# Altium PCB PCB_CONTROL.PcbDoc (part 1 of 2)
Units mm, origin at the board's own origin, x right, y up, seen from the top; angles counter-clockwise.
Board outline 130 x 100 mm, 4 copper layers (Top Layer (PWR), Layer 1 (GND), Layer 2 (SIGN), Bottom Layer (GND)), stack 1.5 mm thick; 170 components, 141 nets, 620 pads, 299 vias.
Unrouted connection lines stored in the file: 5.
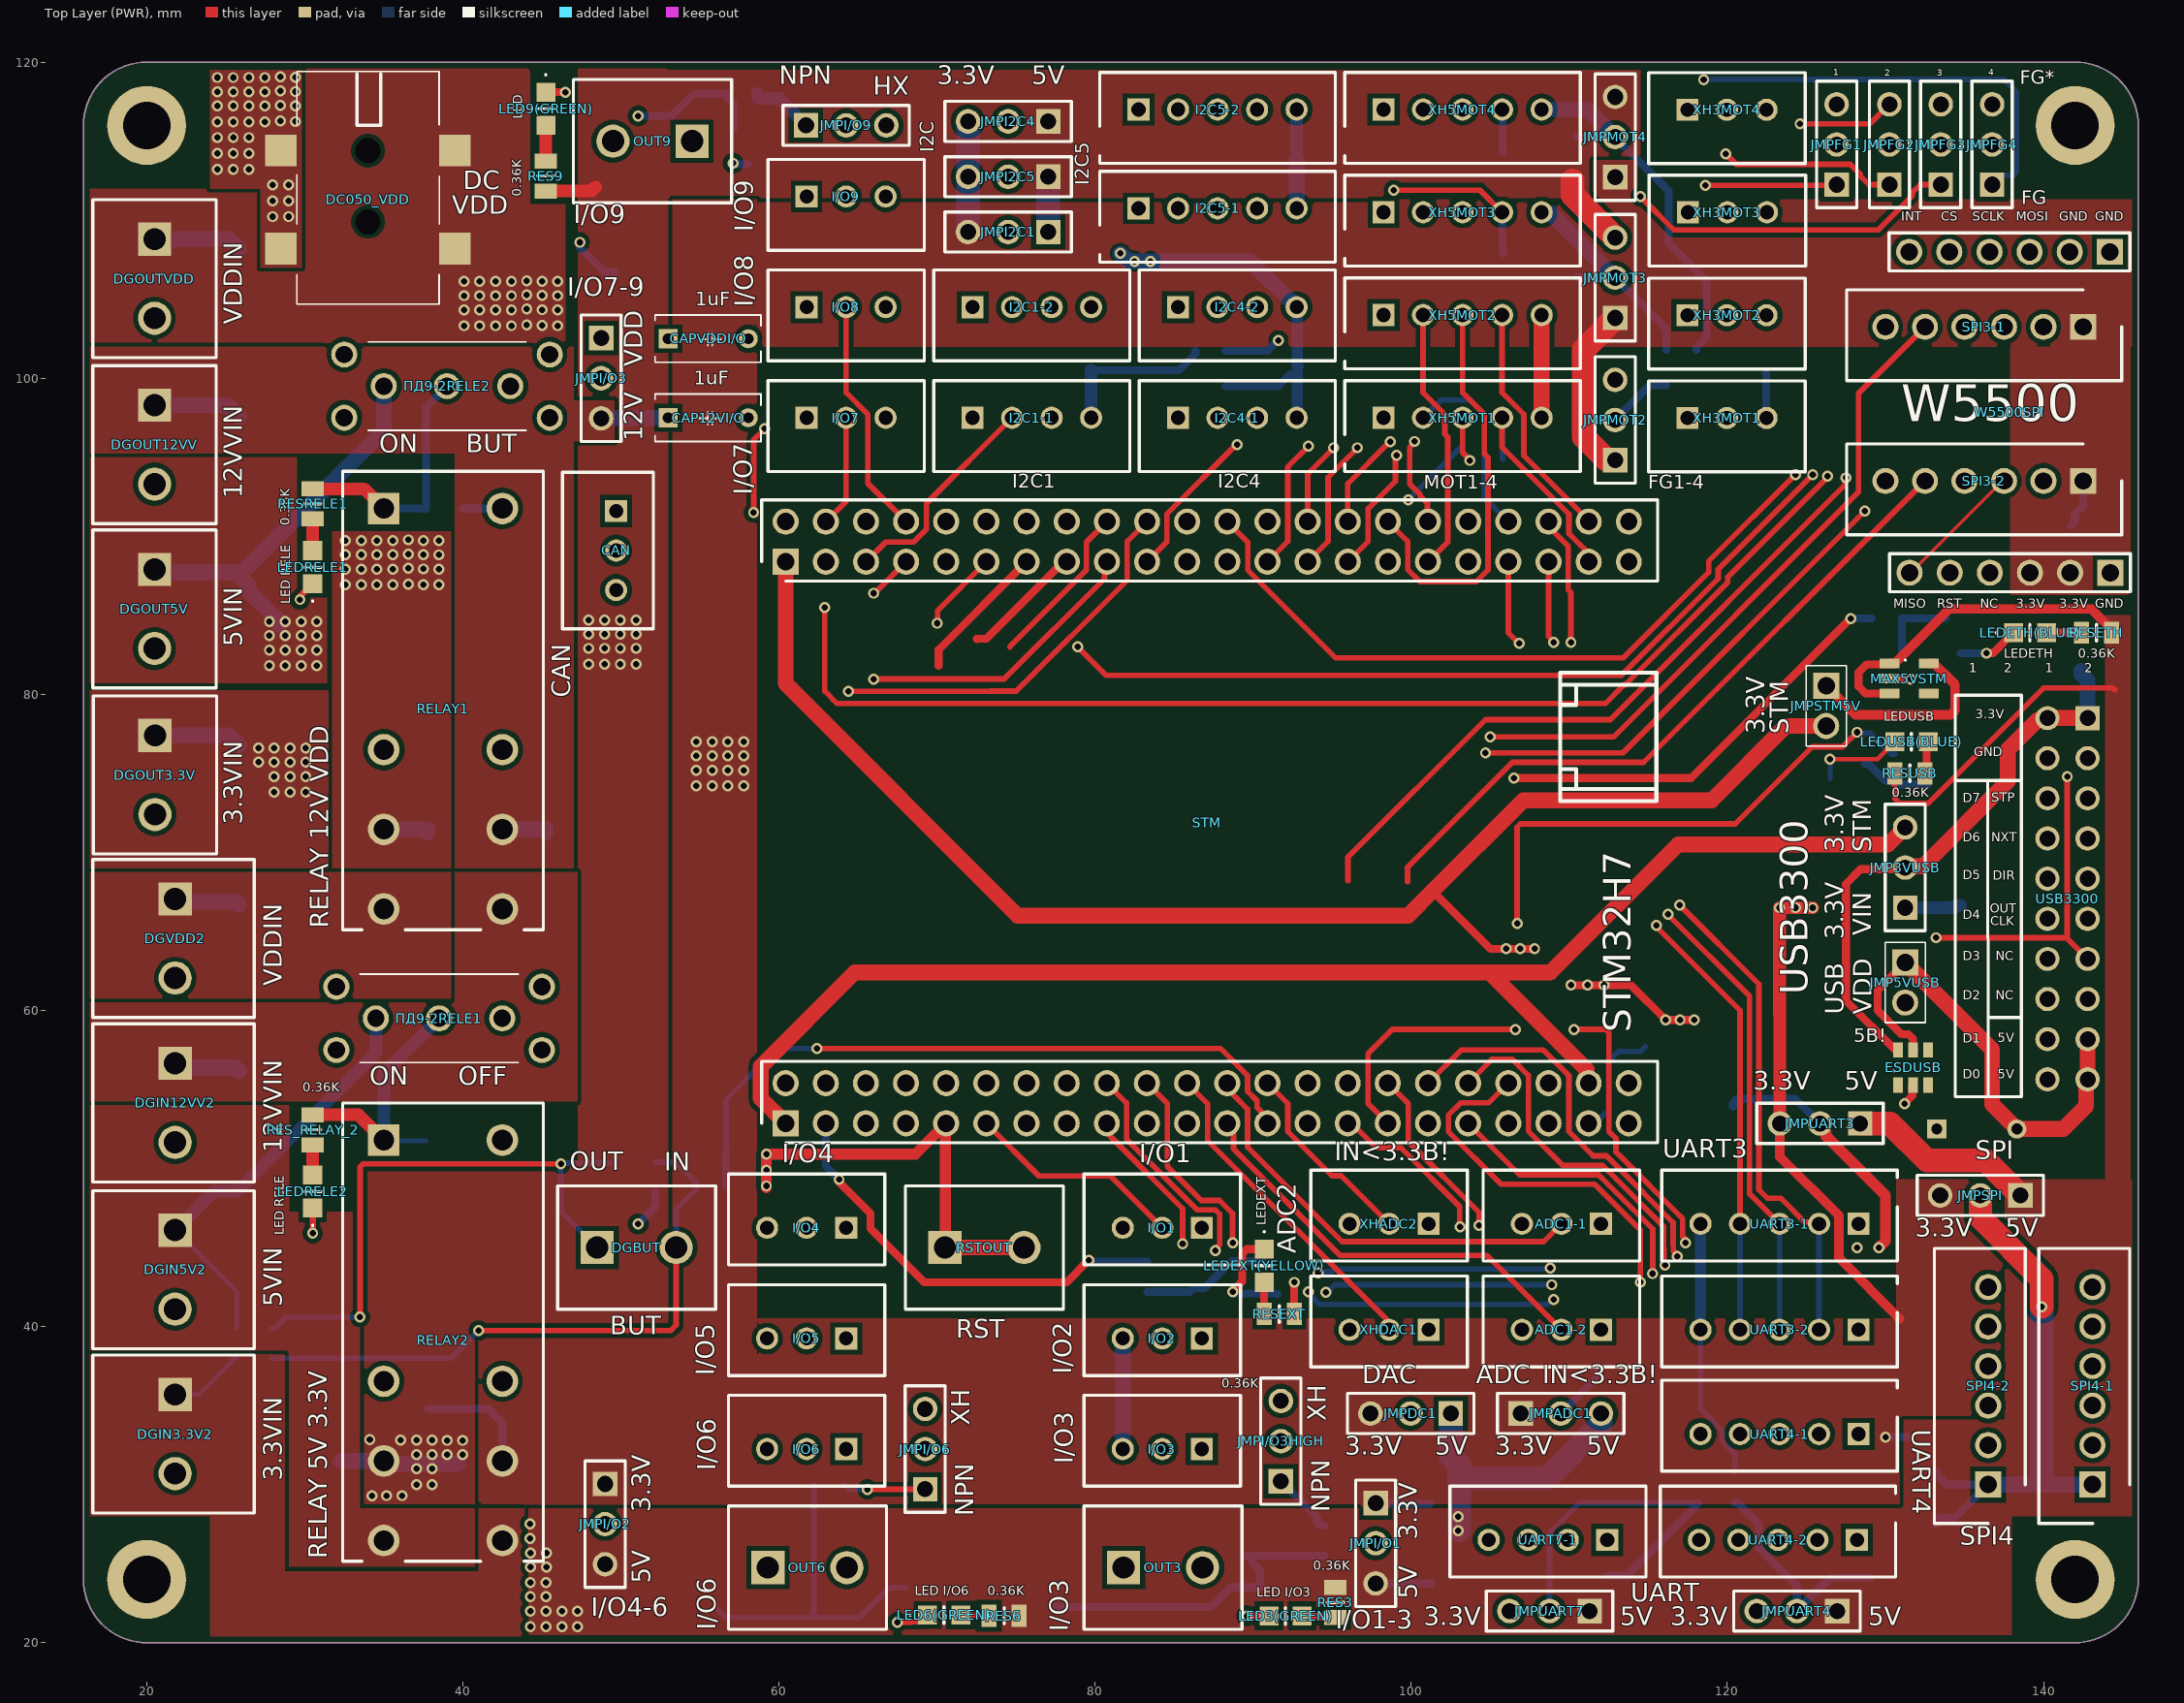
[diagram p0: Top Layer (PWR) view]
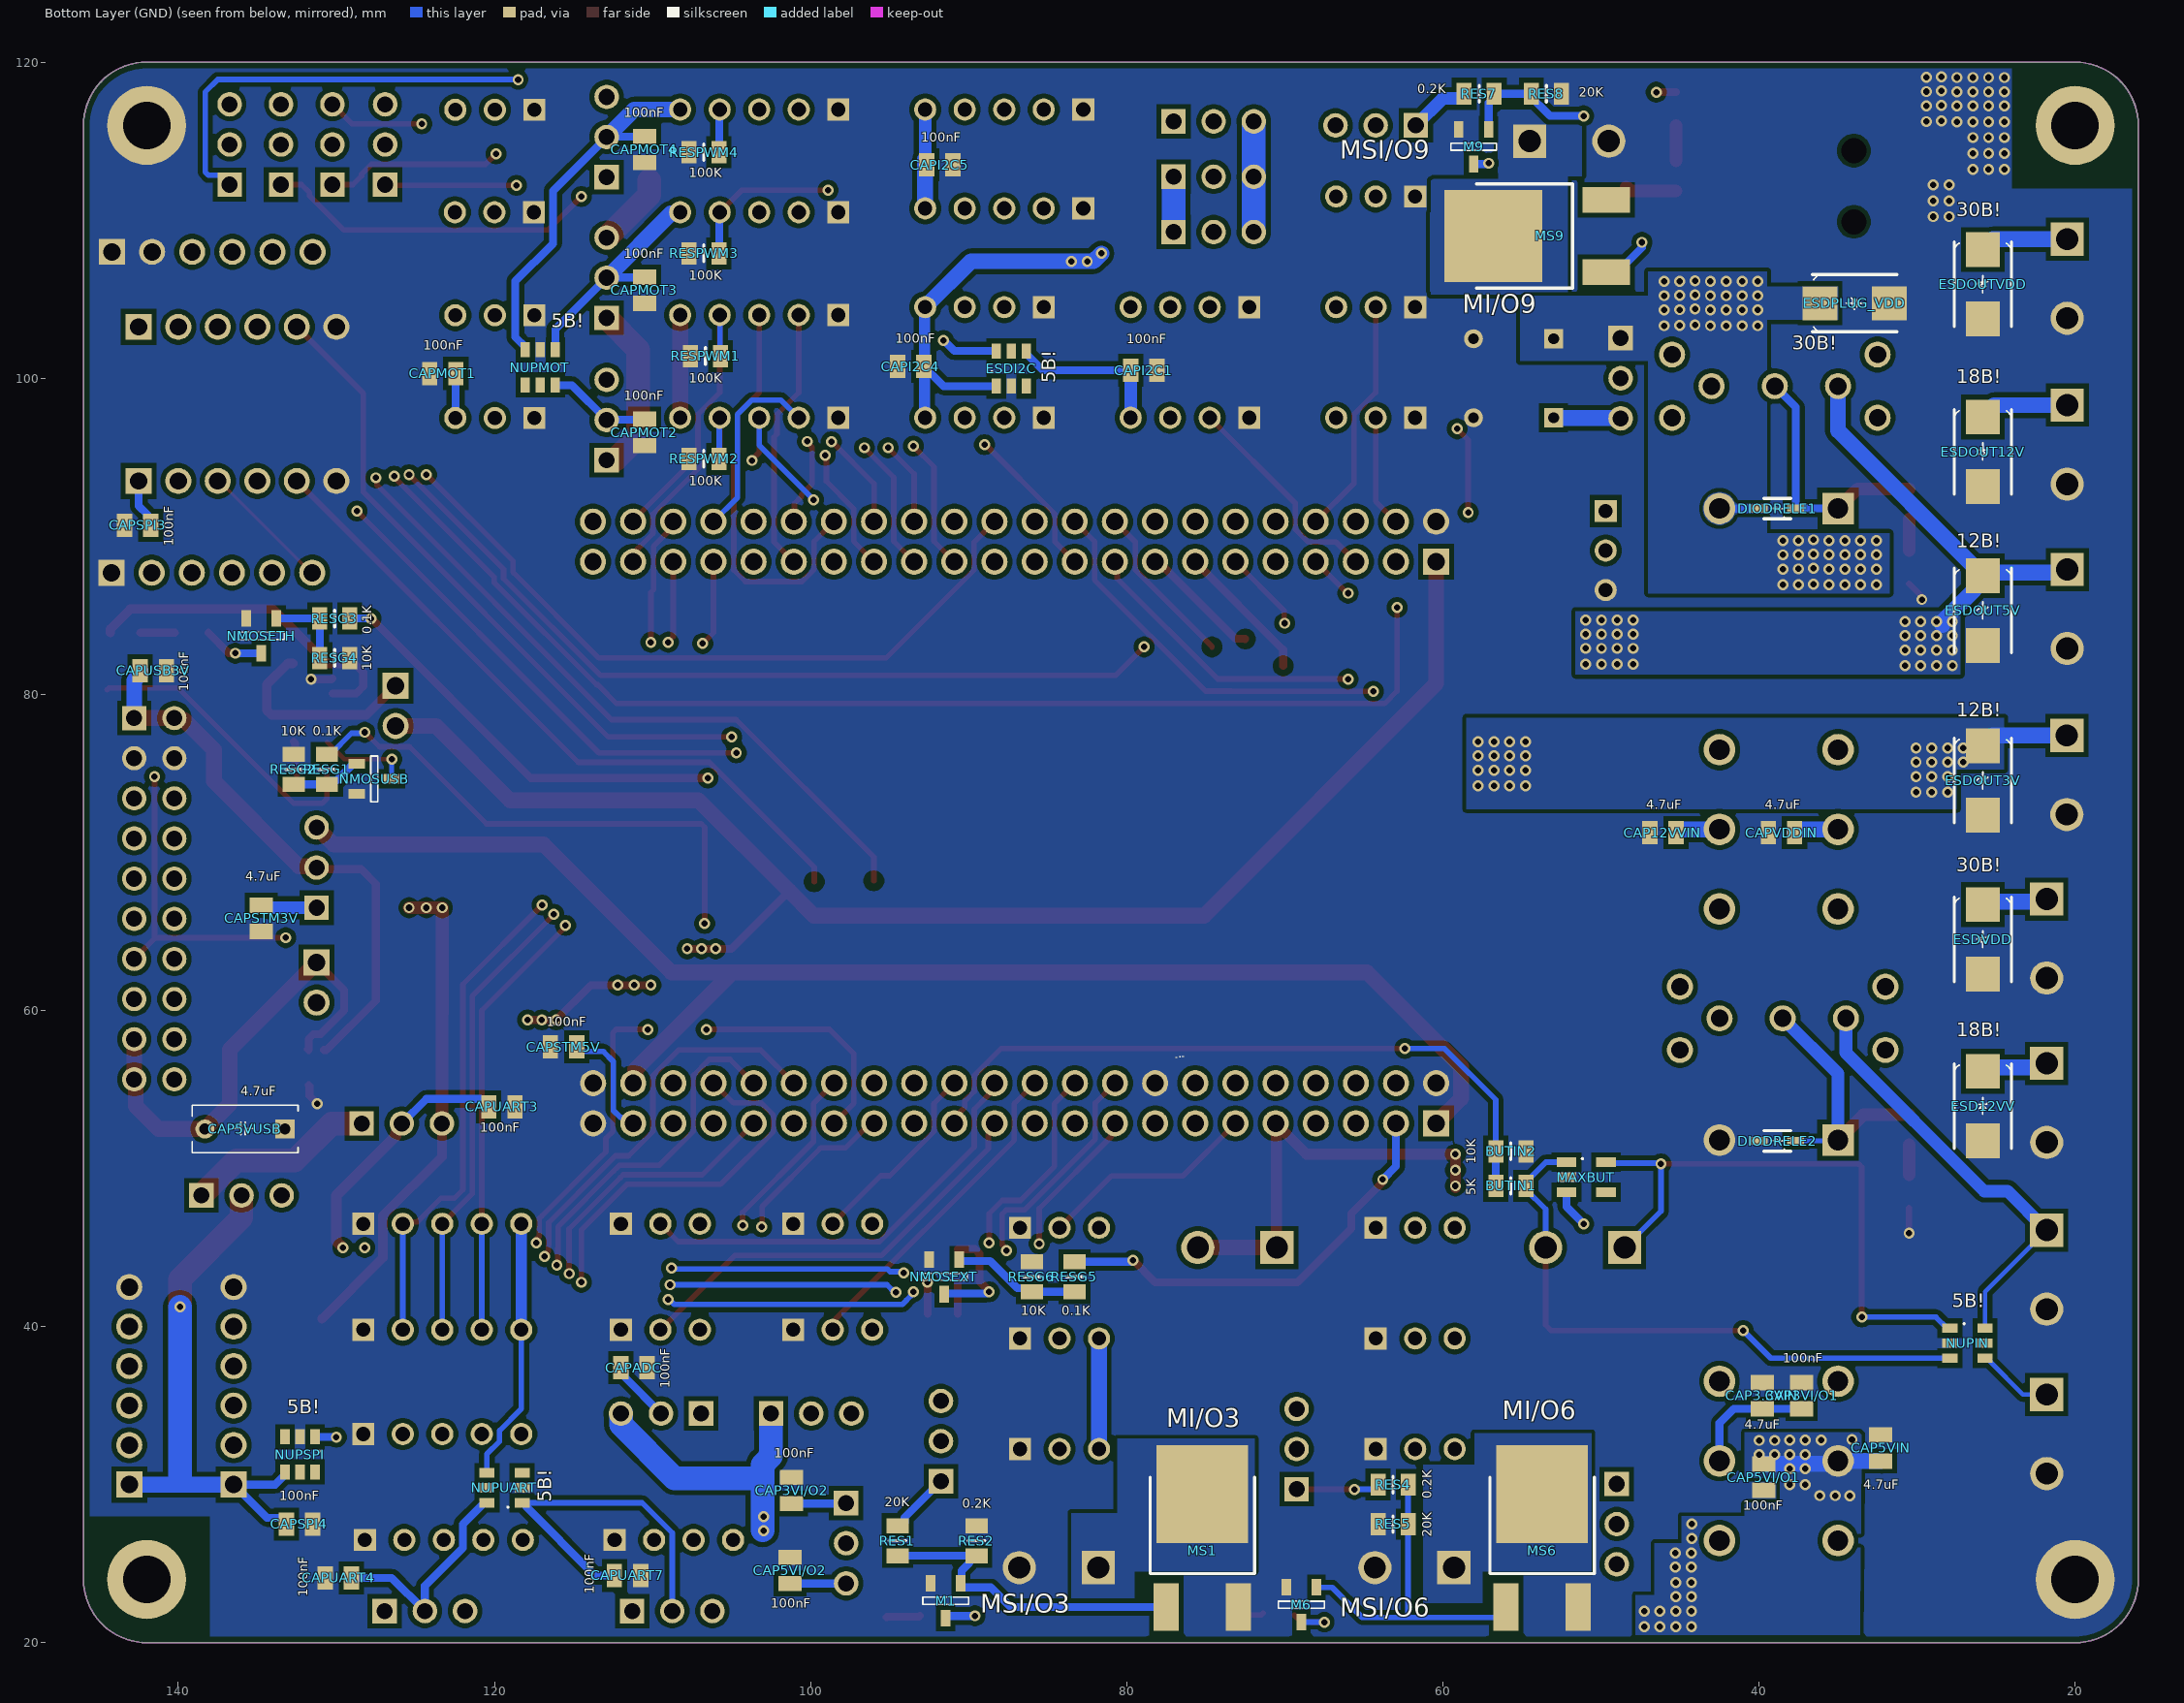
[diagram p1: Bottom Layer (GND) view, seen from below]
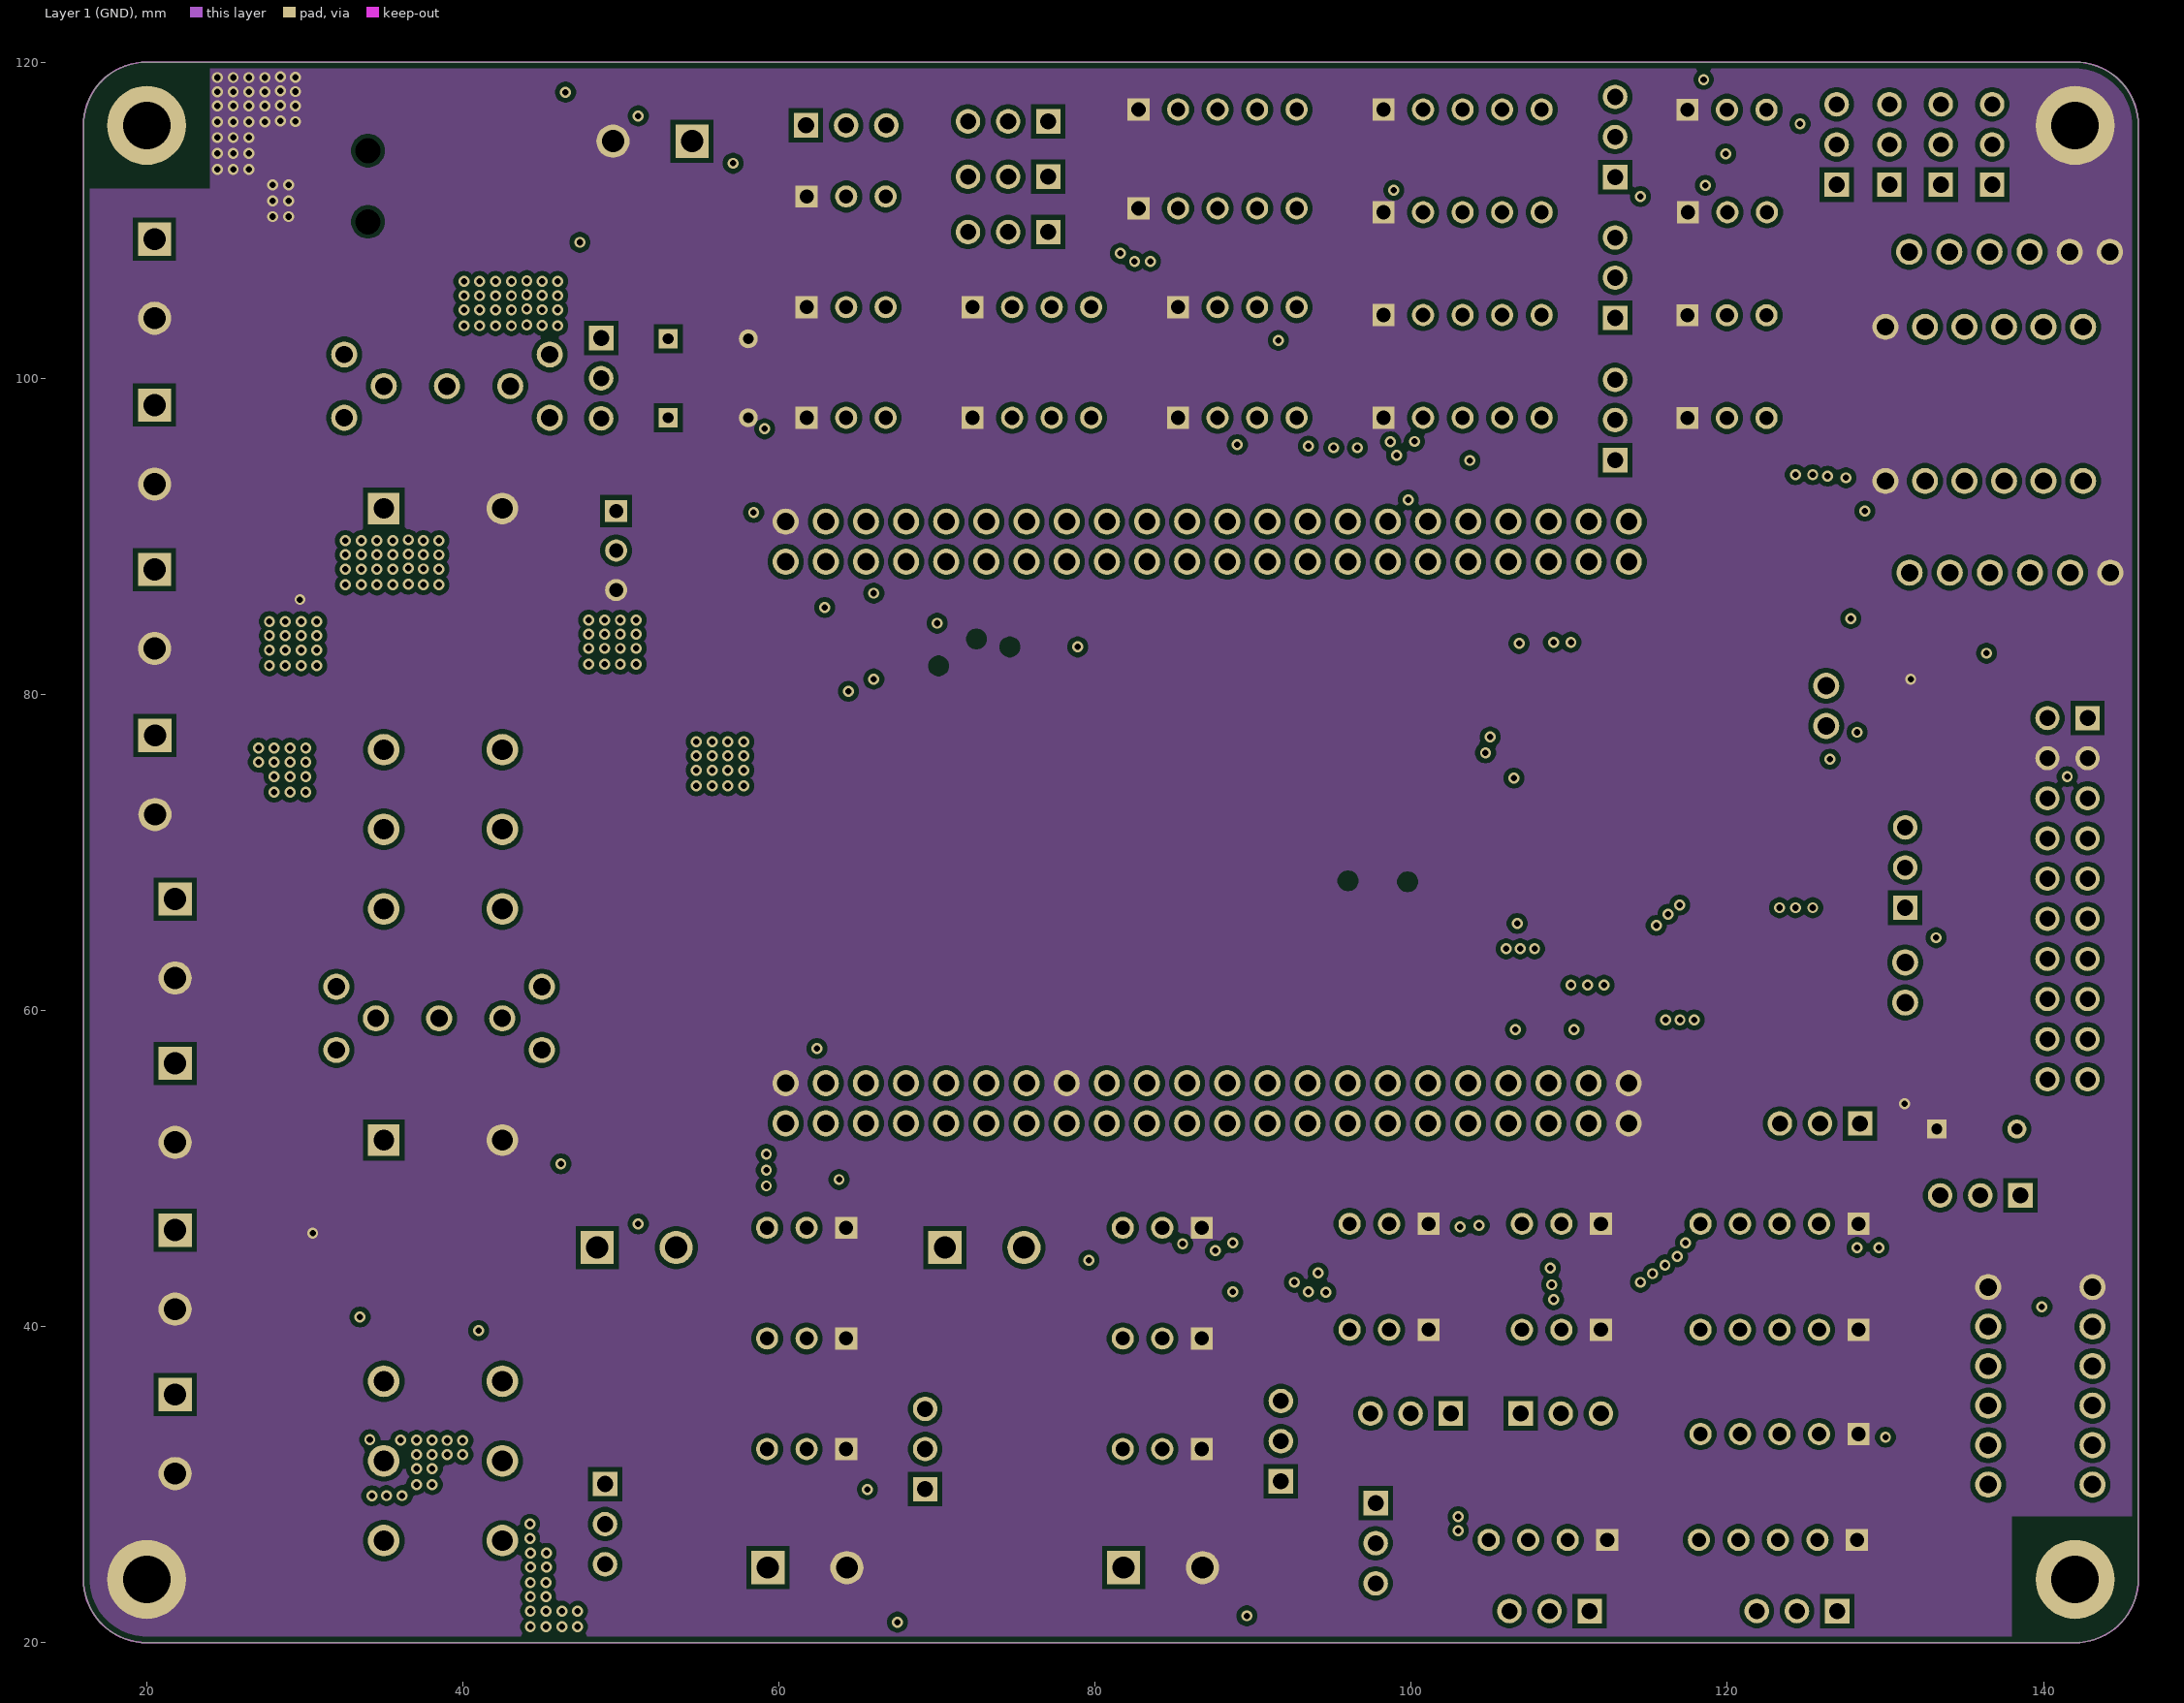
[diagram p2: Layer 1 (GND)]